# KiCad board 20Key_macropad.kicad_pcb
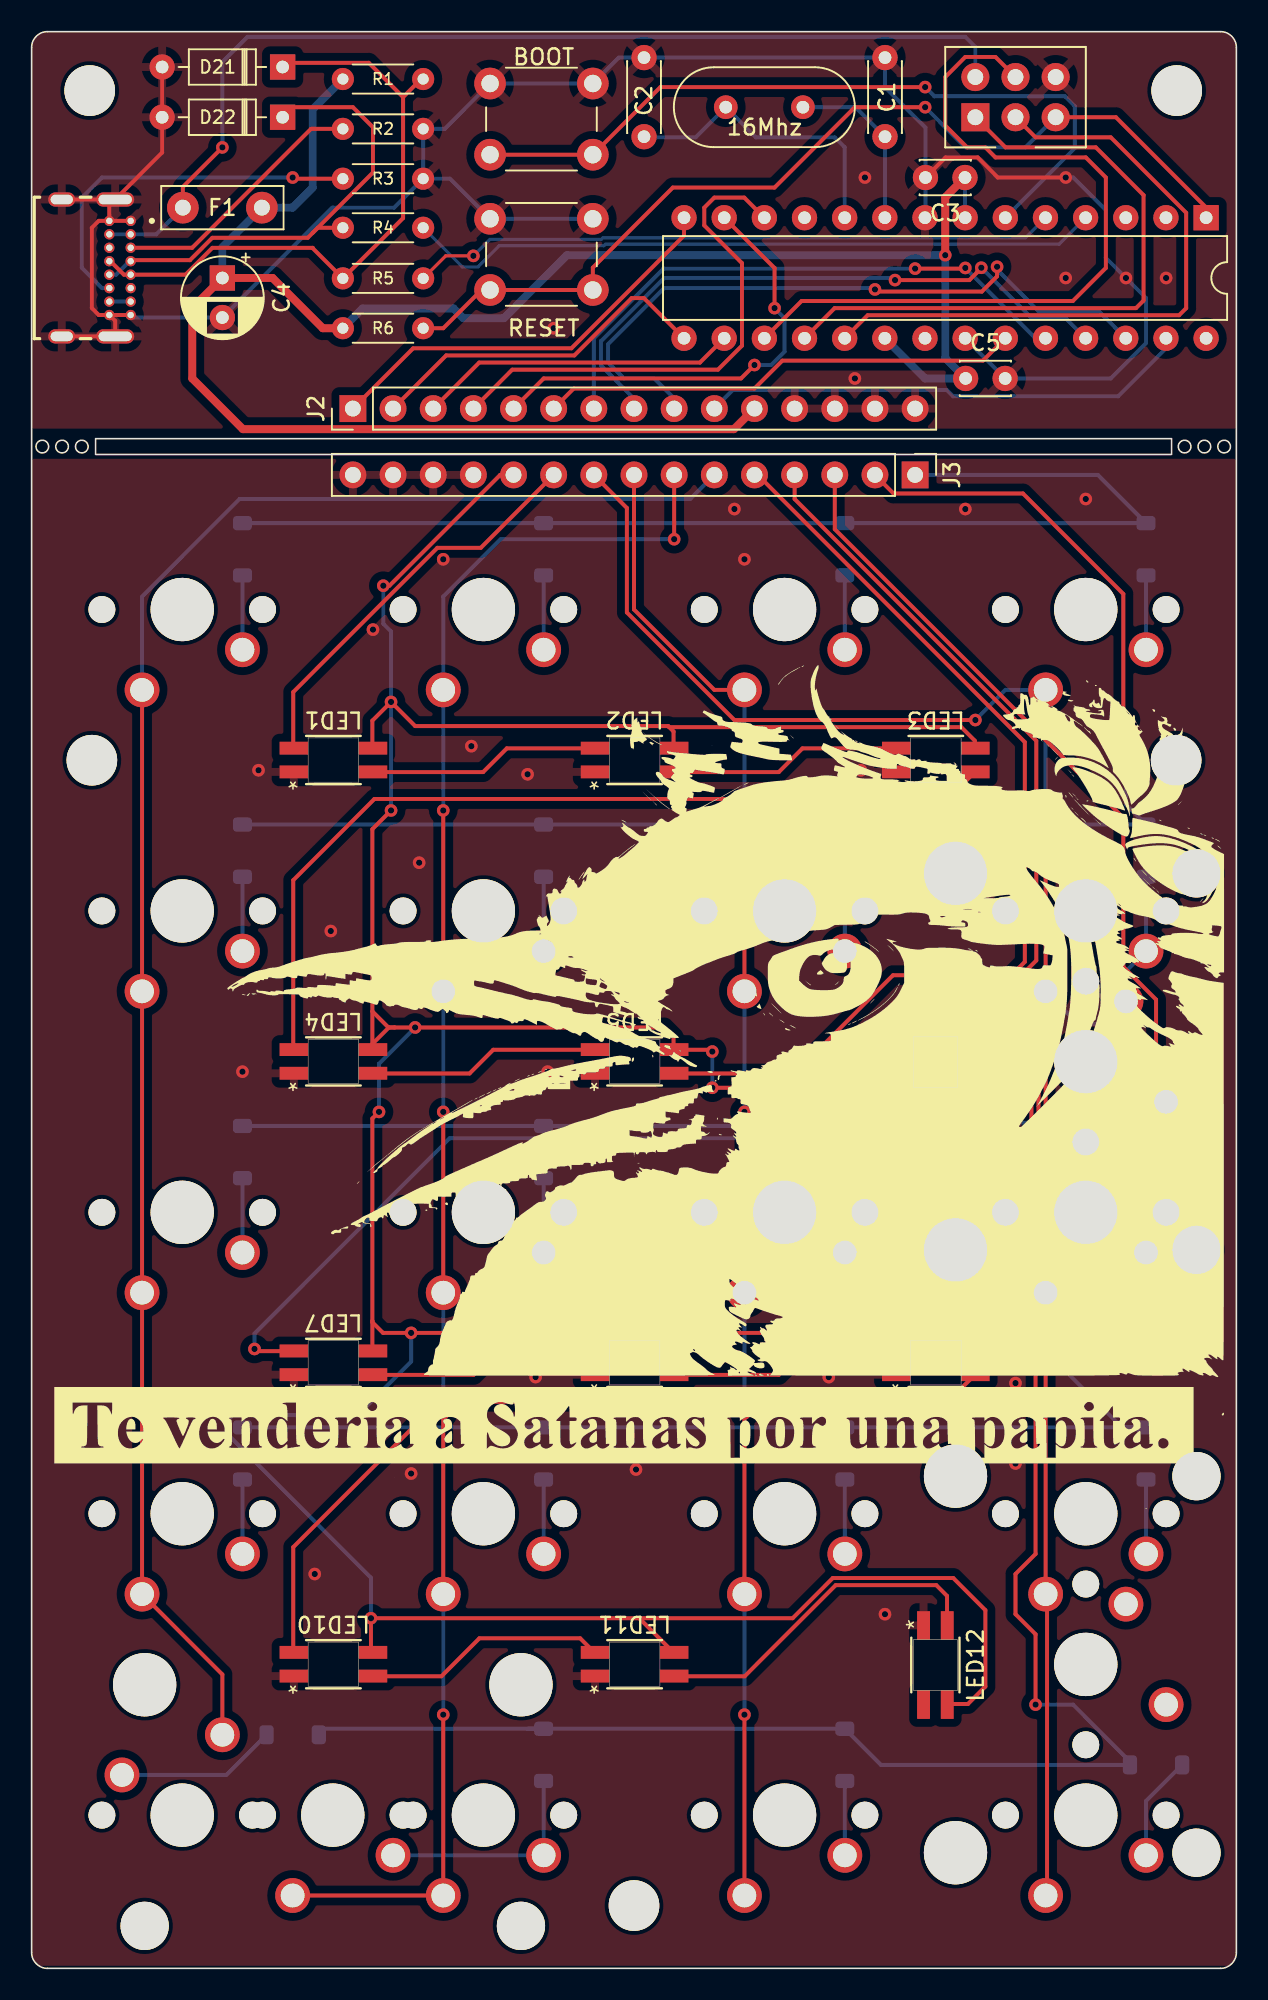
[diagram p0: board, top side]
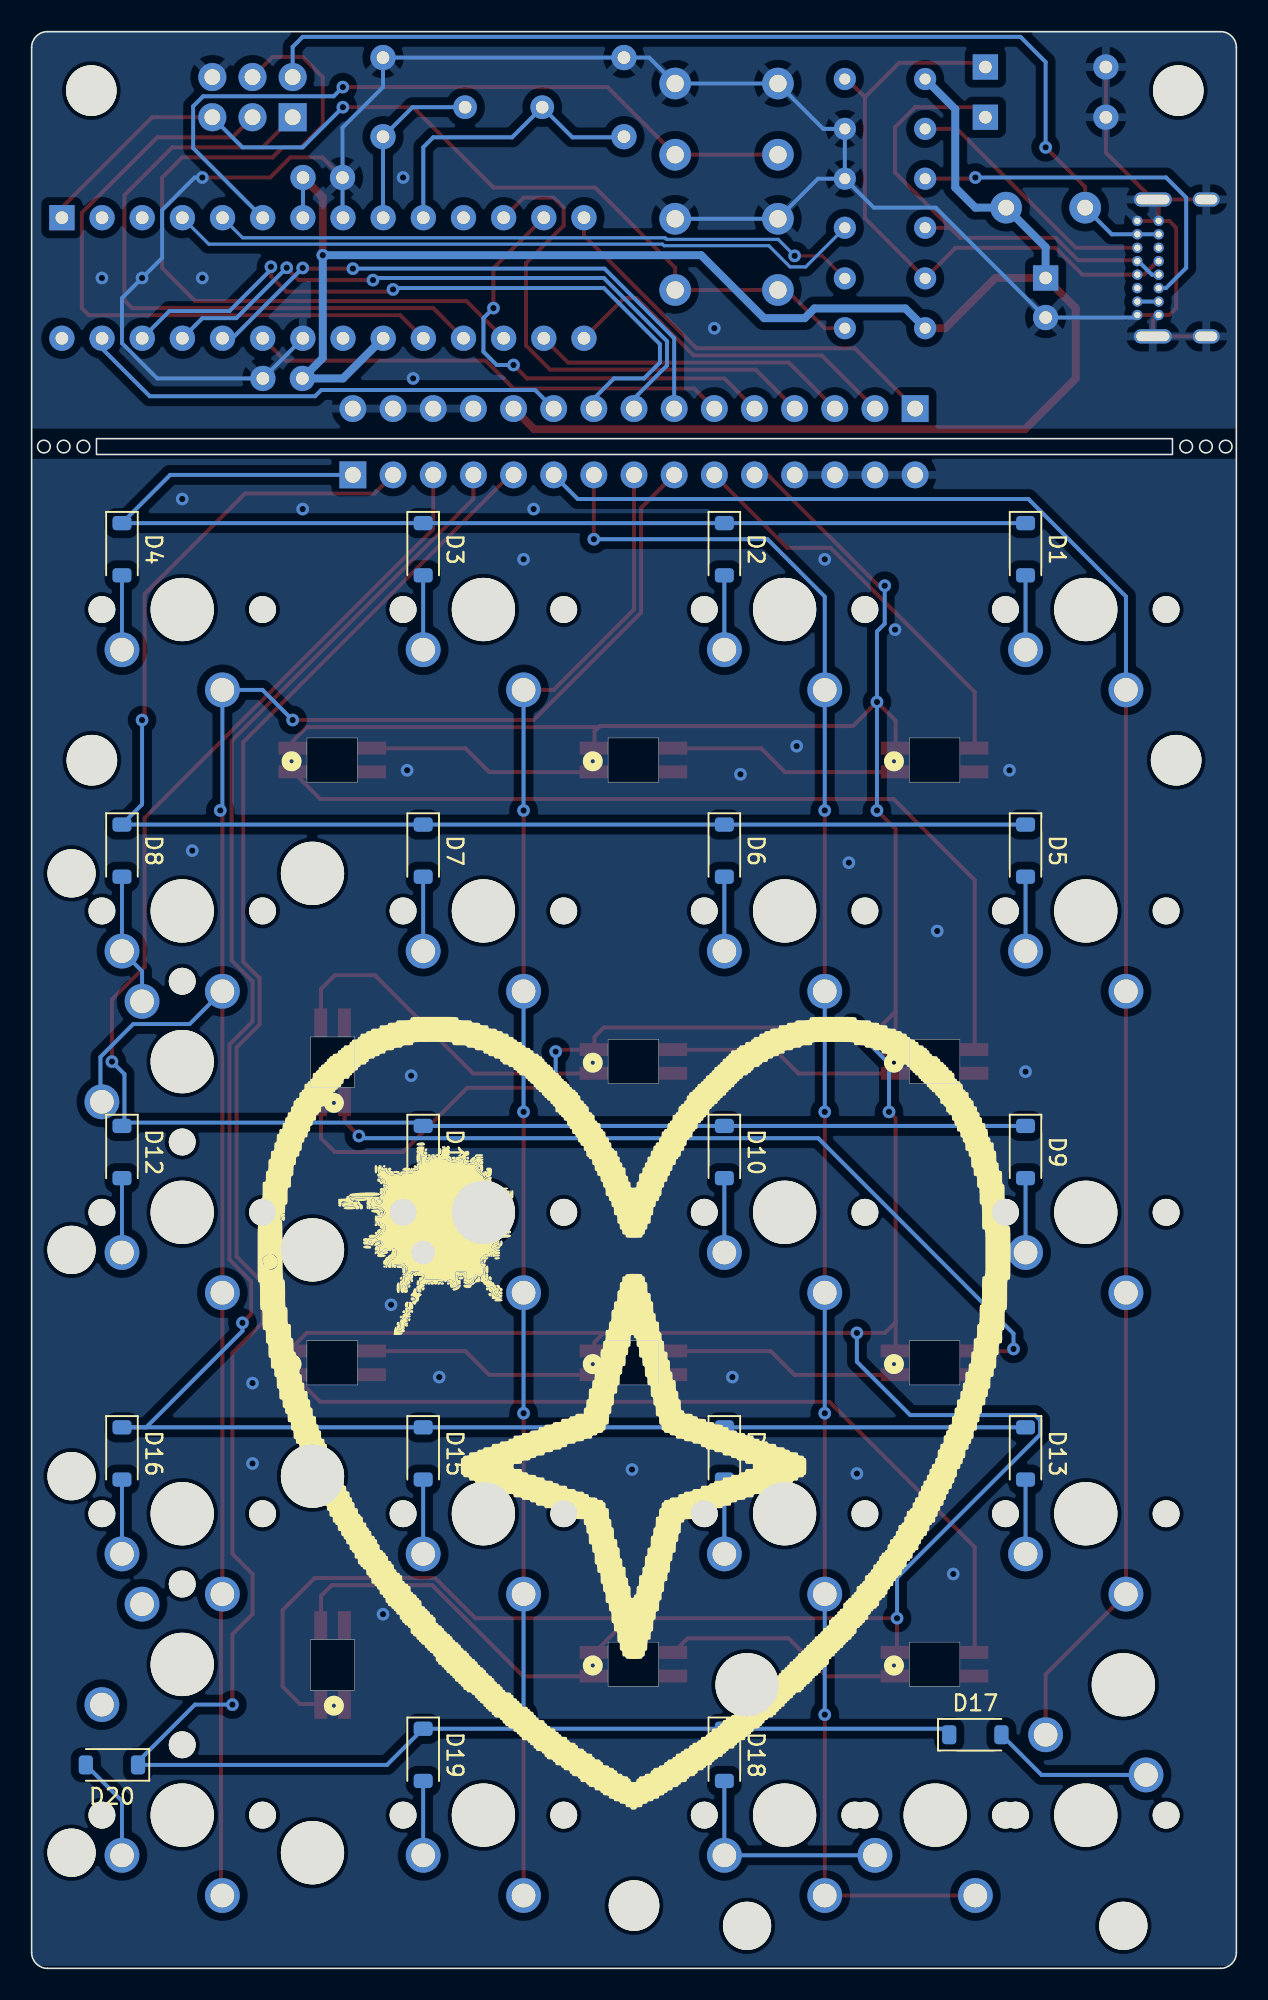
[diagram p1: board, bottom side, seen from below]

Outline 76.2 x 122.41 mm; copper layers: Top, Bottom. Coordinates in mm from the lower left corner of the outline.
Outline path: circle c0.67,96.19 r0.4 ; circle c1.92,96.19 r0.4 ; circle c3.17,96.19 r0.4 ; rectangle 4.04,96.69 72.1,95.69 ; circle c72.93,96.19 r0.4 ; circle c74.18,96.19 r0.4 ; circle c75.43,96.19 r0.4 ; 0,121.41 arc(0.29,122.12) 1,122.41 75.2,122.41 arc(75.91,122.12) 76.2,121.41 76.2,1 arc(75.91,0.29) 75.2,0 1,0 arc(0.29,0.29) 0,1 0,121.41

## Placement (name value [footprint] x y rotation side)
BOOT1  SW_Push  [SW_PUSH_6mm]  29 119.13 0 top
C1  22p  [C_Disc_D4.3mm_W1.9mm_P5.00mm]  53.97 115.77 90 top
C2  22p  [C_Disc_D4.3mm_W1.9mm_P5.00mm]  38.74 115.77 90 top
C3  0.1u  [C_Disc_D3.0mm_W2.0mm_P2.50mm]  59.03 113.19 180 top
C4  4.7u  [CP_Radial_D5.0mm_P2.50mm]  12.06 106.84 270 top
C5  0.1u  [C_Disc_D3.0mm_W2.0mm_P2.50mm]  59.07 100.49 0 top
D1  1N4148  [D_SOD-123]  13.33 89.69 270 bottom
D2  1N4148  [D_SOD-123]  32.38 89.69 270 bottom
D3  1N4148  [D_SOD-123]  51.44 89.69 270 bottom
D4  1N4148  [D_SOD-123]  70.49 89.69 270 bottom
D5  1N4148  [D_SOD-123]  13.33 70.64 270 bottom
D6  1N4148  [D_SOD-123]  32.38 70.64 270 bottom
D7  1N4148  [D_SOD-123]  51.44 70.64 270 bottom
D8  1N4148  [D_SOD-123]  70.49 70.64 270 bottom
D9  1N4148  [D_SOD-123]  13.33 51.59 270 bottom
D10  1N4148  [D_SOD-123]  32.38 51.59 270 bottom
D11  1N4148  [D_SOD-123]  51.44 51.59 270 bottom
D12  1N4148  [D_SOD-123]  70.49 51.59 270 bottom
D13  1N4148  [D_SOD-123]  13.33 32.54 270 bottom
D14  1N4148  [D_SOD-123]  32.38 32.54 270 bottom
D15  1N4148  [D_SOD-123]  51.44 32.54 270 bottom
D16  1N4148  [D_SOD-123]  70.49 32.54 270 bottom
D17  1N4148  [D_SOD-123]  16.51 14.76 180 bottom
D18  1N4148  [D_SOD-123]  32.38 13.5 270 bottom
D19  1N4148  [D_SOD-123]  51.44 13.5 270 bottom
D20  1N4148  [D_SOD-123]  71.12 12.86 0 bottom
D21  1N4148  [D_DO-35_SOD27_P7.62mm_Horizontal]  15.88 120.17 180 top
D22  1N4148  [D_DO-35_SOD27_P7.62mm_Horizontal]  15.88 117 180 top
F1  Polyfuse  [C_Disc_D7.5mm_W2.5mm_P5.00mm]  14.56 111.28 180 top
J1  USB4085-GF-A_REVB  [GCT_USB4085-GF-A_REVB]  1.91 107.47 270 top
J2  Conn_01x15_Pin  [PinHeader_1x15_P2.54mm_Vertical]  20.32 98.58 90 top
J3  Conn_01x15_Socket  [PinHeader_1x15_P2.54mm_Vertical]  55.88 94.39 270 top
LED1  4960  [4960_ADA]  19.05 76.36 180 top
LED2  4960  [4960_ADA]  38.1 76.36 180 top
LED3  4960  [4960_ADA]  57.15 76.36 180 top
LED4  4960  [4960_ADA]  19.05 57.31 180 top
LED5  4960  [4960_ADA]  38.1 57.31 180 top
LED6  4960  [4960_ADA]  57.15 57.31 90 top
LED7  4960  [4960_ADA]  19.05 38.26 180 top
LED8  4960  [4960_ADA]  38.1 38.26 180 top
LED9  4960  [4960_ADA]  57.15 38.26 180 top
LED10  4960  [4960_ADA]  19.05 19.21 180 top
LED11  4960  [4960_ADA]  38.1 19.21 180 top
LED12  4960  [4960_ADA]  57.15 19.21 90 top
R1  1.5k  [R_Axial_DIN0204_L3.6mm_D1.6mm_P5.08mm_Horizontal]  19.69 119.41 0 top
R2  5.1k  [R_Axial_DIN0204_L3.6mm_D1.6mm_P5.08mm_Horizontal]  24.77 116.26 180 top
R3  5.1k  [R_Axial_DIN0204_L3.6mm_D1.6mm_P5.08mm_Horizontal]  24.77 113.11 180 top
R4  22r  [R_Axial_DIN0204_L3.6mm_D1.6mm_P5.08mm_Horizontal]  24.77 110.01 180 top
R5  22r  [R_Axial_DIN0204_L3.6mm_D1.6mm_P5.08mm_Horizontal]  24.77 106.81 180 top
R6  10k  [R_Axial_DIN0204_L3.6mm_D1.6mm_P5.08mm_Horizontal]  24.77 103.66 180 top
REF**  -  [MountingHole_3.2mm_M3]  38.1 3.97 180 top
REF**#2  -  [MountingHole_3.2mm_M3]  72.39 76.36 180 top
REF**#3  -  [MountingHole_3.2mm_M3]  72.43 118.69 180 top
REF**#4  -  [MountingHole_3.2mm_M3]  3.67 118.69 180 top
REF**#5  -  [MountingHole_3.2mm_M3]  3.81 76.36 180 top
RESET1  SW_Push  [SW_PUSH_6mm]  29 110.58 0 top
SW1  SW_Push  [SW_Cherry_MX_1.00u_PCB]  9.53 85.88 180 top
SW2  SW_Push  [SW_Cherry_MX_1.00u_PCB]  28.57 85.88 180 top
SW3  SW_Push  [SW_Cherry_MX_1.00u_PCB]  47.62 85.88 180 top
SW4  SW_Push  [SW_Cherry_MX_1.00u_PCB]  66.68 85.88 180 top
SW5  SW_Push  [SW_Cherry_MX_1.00u_PCB]  9.53 66.83 180 top
SW6  SW_Push  [SW_Cherry_MX_1.00u_PCB]  28.57 66.83 180 top
SW7  SW_Push  [SW_Cherry_MX_1.00u_PCB]  47.62 66.83 180 top
SW8  SW_Push  [SW_Cherry_MX_1.00u_PCB]  66.68 66.83 180 top
SW8#2  SW_Push  [SW_Cherry_MX_2.00u_PCB]  71.75 54.77 270 top
SW9  SW_Push  [SW_Cherry_MX_1.00u_PCB]  9.53 47.78 180 top
SW10  SW_Push  [SW_Cherry_MX_1.00u_PCB]  28.57 47.78 180 top
SW11  SW_Push  [SW_Cherry_MX_1.00u_PCB]  47.62 47.78 180 top
SW12  SW_Push  [SW_Cherry_MX_1.00u_PCB]  66.68 47.78 180 top
SW13  SW_Push  [SW_Cherry_MX_1.00u_PCB]  9.53 28.73 180 top
SW14  SW_Push  [SW_Cherry_MX_1.00u_PCB]  28.57 28.73 180 top
SW15  SW_Push  [SW_Cherry_MX_1.00u_PCB]  47.62 28.73 180 top
SW16  SW_Push  [SW_Cherry_MX_1.00u_PCB]  66.68 28.73 180 top
SW16#2  SW_Push  [SW_Cherry_MX_2.00u_PCB]  71.75 16.67 270 top
SW17  SW_Push  [SW_Cherry_MX_1.00u_PCB]  9.53 9.69 0 top
SW18  SW_Push  [SW_Cherry_MX_1.00u_PCB]  28.57 9.69 180 top
SW18#2  SW_Push  [SW_Cherry_MX_2.00u_PCB]  16.51 4.6 180 top
SW19  SW_Push  [SW_Cherry_MX_1.00u_PCB]  47.62 9.69 180 top
SW20  SW_Push  [SW_Cherry_MX_1.00u_PCB]  66.68 9.69 180 top
U1  ATmega328-P  [DIP-28_W7.62mm]  74.28 110.65 270 top
X1  AVR-ICSP  [AVR-ICSP_ICSP-2X03-2.54]  59.69 117 90 top
Y1  16Mhz  [Crystal_HC49-4H_Vertical]  43.91 117.63 0 top

## Library data of the parts
BOOT1 RESET1 SW1-SW8 SW8#2 SW9-SW16 SW16#2 SW17 SW18 SW18#2 SW19 SW20 = -: Description: Push button switch, generic, two pins
C1-C3 C5 = -: Description: Unpolarized capacitor
C4 = -: Description: Polarized capacitor, US symbol
D1-D20 = -: Description: 100V 0.15A standard switching diode, DO-35; Sim.Device: D; Sim.Pins: 1=K 2=A
D21 D22 = -: Description: 100V 0.15A standard switching diode, DO-35; Sim.Device: D; Sim.Pins: 1=K 2=A; Field6: K; Field7: K
F1 = -: Description: Resettable fuse, polymeric positive temperature coefficient
J1 = -: MANUFACTURER: Global Connector Technology; MAXIMUM_PACKAGE_HEIGHT: 3.16mm; PARTREV: B; SNAPEDA_PN: USB4085-GF-A; STANDARD: Manufacturer Recommendations
J2 J3 = -: Description: Generic connector, single row, 01x15, script generated
R1-R6 = -: Description: Resistor
U1 = -: Description: 20MHz, 32kB Flash, 2kB SRAM, 1kB EEPROM, DIP-28
X1 = -: Description: 6 - 10 PIN CROSS CONNECTION ADAP; Availability: In Stock; Check_prices: https://www.snapeda.com/parts/AVR-ICSP/Olimex+LTD/view-part/?ref=eda; MF: Olimex LTD; Package: None; Price: None; Purchase-URL: https://www.snapeda.com/api/url_track_click_mouser/?unipart_id=590652&manufacturer=Olimex LTD&part_name=AVR-ICSP&search_term=icsp; SnapEDA_Link: https://www.snapeda.com/parts/AVR-ICSP/Olimex+LTD/view-part/?ref=snap; Field12: Name; Field13: Name
Y1 = -: Description: Two pin crystal

## Footprints (pads in the part's own frame, mm; a bottom-side part is the same pattern mirrored in y, then rotated)
4960_ADA
  rect 1.803x0.813 smd: 1(-2.54,-0.762) 2(-2.54,0.737) 3(2.464,0.737) 4(2.464,-0.762)
AVR-ICSP_ICSP-2X03-2.54
  rect 1.778x1.778 hole 1: 1(0,0)
  round 1.778 hole 1: 2(2.54,0) 3(0,-2.54) 4(2.54,-2.54) 5(0,-5.08) 6(2.54,-5.08)
C_Disc_D3.0mm_W2.0mm_P2.50mm
  round 1.6 hole 0.8: 1(0,0) 2(2.5,0)
C_Disc_D4.3mm_W1.9mm_P5.00mm
  round 1.6 hole 0.8: 1(0,0) 2(5,0)
C_Disc_D7.5mm_W2.5mm_P5.00mm
  round 2 hole 1: 1(0,0) 2(5,0)
CP_Radial_D5.0mm_P2.50mm
  rect 1.6x1.6 hole 0.8: 1(0,0)
  round 1.6 hole 0.8: 2(2.5,0)
Crystal_HC49-4H_Vertical
  round 1.5 hole 0.8: 1(0,0) 2(4.88,0)
D_DO-35_SOD27_P7.62mm_Horizontal
  rect 1.6x1.6 hole 0.8: 1(0,0)
  oval 1.6x1.6 hole 0.8: 2(7.62,0)
D_SOD-123
  rrect 0.9x1.2 smd: 1(-1.65,0) 2(1.65,0)
DIP-28_W7.62mm
  rect 1.6x1.6 hole 0.8: 1(0,0)
  oval 1.6x1.6 hole 0.8: 2(0,-2.54) 3(0,-5.08) 4(0,-7.62) 5(0,-10.16) 6(0,-12.7) 7(0,-15.24) 8(0,-17.78) 9(0,-20.32) 10(0,-22.86) 11(0,-25.4) 12(0,-27.94) 13(0,-30.48) 14(0,-33.02) 15(7.62,-33.02) 16(7.62,-30.48) 17(7.62,-27.94) 18(7.62,-25.4) 19(7.62,-22.86) 20(7.62,-20.32) 21(7.62,-17.78) 22(7.62,-15.24) 23(7.62,-12.7) 24(7.62,-10.16) 25(7.62,-7.62) 26(7.62,-5.08) 27(7.62,-2.54) 28(7.62,0)
GCT_USB4085-GF-A_REVB
  round 0.65 hole 0.4: A1(-2.975,4.36) A4(-2.125,4.36) A5(-1.275,4.36) A6(-0.425,4.36) A7(0.425,4.36) A8(1.275,4.36) A9(2.125,4.36) A12(2.975,4.36) B1(2.975,3.01) B4(2.125,3.01) B5(1.275,3.01) B6(0.425,3.01) B7(-0.425,3.01) B8(-1.275,3.01) B9(-2.125,3.01) B12(-2.975,3.01)
  oval 0.9x1.7 hole 0.6x1.4: S1(-4.325,0) S2(4.325,0)
  oval 0.9x2.4 hole 0.6x2.1: S3(-4.325,3.38) S4(4.325,3.38)
MountingHole_3.2mm_M3
  round 3.2 hole 3.2 unplated: (0,0)
PinHeader_1x15_P2.54mm_Vertical
  rect 1.7x1.7 hole 1: 1(0,0)
  oval 1.7x1.7 hole 1: 2(0,-2.54) 3(0,-5.08) 4(0,-7.62) 5(0,-10.16) 6(0,-12.7) 7(0,-15.24) 8(0,-17.78) 9(0,-20.32) 10(0,-22.86) 11(0,-25.4) 12(0,-27.94) 13(0,-30.48) 14(0,-33.02) 15(0,-35.56)
R_Axial_DIN0204_L3.6mm_D1.6mm_P5.08mm_Horizontal
  round 1.4 hole 0.7: 1(0,0)
  oval 1.4x1.4 hole 0.7: 2(5.08,0)
SW_Cherry_MX_1.00u_PCB
  round 1.7 hole 1.7 unplated: (-5.08,0) (5.08,0)
  round 4 hole 4 unplated: (0,0)
  round 2.2 hole 1.5: 1(2.54,5.08) 2(-3.81,2.54)
SW_Cherry_MX_2.00u_PCB
  round 3.05 hole 3.05 unplated: (-14.44,1.92) (9.36,1.92)
  round 4 hole 4 unplated: (-14.44,-13.32) (-2.54,-5.08) (9.36,-13.32)
  round 1.7 hole 1.7 unplated: (-7.62,-5.08) (2.54,-5.08)
  round 2.2 hole 1.5: 1(0,0) 2(-6.35,-2.54)
SW_PUSH_6mm
  round 2 hole 1.1: 1(0,0) 1(6.5,0) 2(0,-4.5) 2(6.5,-4.5)

## Nets
+5V: C3.1 C4.1 C5.1 F1.1 J2.11 J3.11 LED1.1 LED2.1 LED3.1 LED4.1 LED5.1 LED6.1 LED7.1 LED8.1 LED9.1 LED10.1 LED11.1 LED12.1 R1.1 R6.2 U1.7 U1.20
GND: BOOT1.1 C1.2 C2.2 C3.2 C4.2 C5.2 D21.2 D22.2 J1.A1 J1.A12 J1.B1 J1.B12 J1.S1 J1.S2 J1.S3 J1.S4 J2.12 J2.13 J2.14 J2.15 J3.12 J3.13 J3.14 J3.15 LED1.3 LED2.3 LED3.3 LED4.3 LED5.3 LED6.3 LED7.3 LED8.3 LED9.3 LED10.3 LED11.3 LED12.3 R2.1 R3.1 RESET1.1 U1.8 U1.22 X1.6
VCC: F1.2 J1.A4 J1.A9 J1.B4 J1.B9 X1.2
boot: BOOT1.2 U1.6
col0: J2.6 J3.6 SW1.1 SW5.1 SW9.1 SW13.1 SW17.1 U1.23
col1: J2.7 J3.7 SW2.1 SW6.1 SW10.1 SW14.1 SW18.1 SW18#2.1 U1.24
col2: J2.8 J3.8 SW3.1 SW7.1 SW11.1 SW15.1 SW19.1 U1.25
col3: J2.9 J3.9 SW4.1 SW8.1 SW8#2.1 SW12.1 SW16.1 SW16#2.1 SW20.1 U1.26
D+: R4.1 U1.4
D-: R5.1 U1.5
LED: J2.10 J3.10 LED1.4 U1.27
MISO: U1.18 X1.1
MOSI: U1.17 X1.4
RESET: R6.1 RESET1.2 U1.1 X1.5
row0: D1.1 D2.1 D3.1 D4.1 J2.1 J3.1 U1.14
row1: D5.1 D6.1 D7.1 D8.1 J2.2 J3.2 U1.15
row2: D9.1 D10.1 D11.1 D12.1 J2.3 J3.3 U1.16
row3: D13.1 D14.1 D15.1 D16.1 J2.4 J3.4 U1.12
row4: D17.1 D18.1 D19.1 D20.1 J2.5 J3.5 U1.13
SCK: U1.19 X1.3
Net-(D1-A): D1.2 SW1.2
Net-(D2-A): D2.2 SW2.2
Net-(D3-A): D3.2 SW3.2
Net-(D4-A): D4.2 SW4.2
Net-(D5-A): D5.2 SW5.2
Net-(D6-A): D6.2 SW6.2
Net-(D7-A): D7.2 SW7.2
Net-(D8-A): D8.2 SW8.2 SW8#2.2
Net-(D9-A): D9.2 SW9.2
Net-(D10-A): D10.2 SW10.2
Net-(D11-A): D11.2 SW11.2
Net-(D12-A): D12.2 SW12.2
Net-(D13-A): D13.2 SW13.2
Net-(D14-A): D14.2 SW14.2
Net-(D15-A): D15.2 SW15.2
Net-(D16-A): D16.2 SW16.2 SW16#2.2
Net-(D17-A): D17.2 SW17.2
Net-(D18-A): D18.2 SW18.2 SW18#2.2
Net-(D19-A): D19.2 SW19.2
Net-(D20-A): D20.2 SW20.2
Net-(D21-K): D21.1 J1.A7 J1.B7 R1.2 R5.2
Net-(D22-K): D22.1 J1.A6 J1.B6 R4.2
Net-(J1-CC1): J1.A5 R2.2
Net-(J1-CC2): J1.B5 R3.2
Net-(LED1-DOUT): LED1.2 LED2.4
Net-(LED2-DOUT): LED2.2 LED3.4
Net-(LED3-DOUT): LED3.2 LED4.4
Net-(LED4-DOUT): LED4.2 LED5.4
Net-(LED5-DOUT): LED5.2 LED6.4
Net-(LED6-DOUT): LED6.2 LED7.4
Net-(LED7-DOUT): LED7.2 LED8.4
Net-(LED8-DOUT): LED8.2 LED9.4
Net-(LED10-DIN): LED9.2 LED10.4
Net-(LED10-DOUT): LED10.2 LED11.4
Net-(LED11-DOUT): LED11.2 LED12.4
Net-(U1-XTAL1/PB6): C1.1 U1.9 Y1.2
Net-(U1-XTAL2/PB7): C2.1 U1.10 Y1.1

Pads without a net: J1 A8 B8; LED12 2; U1 2 3 11 21 28

## Via types
v1: diameter 0.8, hole 0.4, Top to Bottom, 72 vias

## Routing (per net, layer and track width the routed paths; a pad name or vN(x,y) marks a point on that pad's centre or on a via; arc(x,y) is an arc through that point)
+5V: length 411.6
  Top w0.25: 40,40.16 40.6,39.57 40.6,39.01 ; 40,40.16 v1(24,40.16) 22.22,40.16 21.55,40.84 21.55,40.93 ; 40,40.16 58.8,40.16 59.65,39.31 59.65,39.01 ; 21.55,40.93 21.55,39.01 ; 21.55,40.93 21.55,53.72 v1(21.97,54.13) ; 21.46,20.05 v1(21.46,22.13) 38.43,22.13 ; 59.65,77.11 59.65,77.6 58.8,78.45 40.33,78.45 40.26,78.52 ; 21.55,60.48 22.57,59.47 22.96,59.47 ; 21.55,60.48 21.55,72 v1(22.73,73.18) ; 21.55,60.48 21.55,58.06 21.55,58.43 22.59,59.47 22.96,59.47 ; 38.43,22.13 48.13,22.13 50.67,24.67 58.29,24.67 60.32,22.64 60.32,17.81 59.22,16.71 57.9,16.71 ; 38.43,22.13 40.6,19.96 ; 22.96,59.47 v1(24.26,59.47) 40,59.47 40.6,58.87 40.6,58.06 42.94,58.06 v1(43.05,57.94) ; 40.26,78.52 40.6,78.18 40.6,77.11 ; 40.26,78.52 24.26,78.52 v1(22.73,80.04) 21.55,78.86 21.55,77.11 ; v1(43.05,55.66) 48.64,55.66 52.71,51.59 57.02,51.59 57.9,52.47 57.9,54.81 ; J3.11 29.64,94.39 22.63,87.39 v1(22.24,87.39)
  Top w0.5: v1(57.78,108.28) 57.78,111.94 C3.1 ; R6.2 18.42,103.66 15.24,106.84 C4.1 10.16,104.94 10.16,100.49 13.36,97.28 44.42,97.28 J2.11
  Bottom w0.25: v1(43.05,57.94) v1(43.05,55.66) ; v1(21.97,54.13) 21.97,57.18 v1(24.26,59.47) ; C3.1 59.03,110.66 ; v1(22.24,87.39) 22.24,84.99 22.73,84.5 v1(22.73,80.04) v1(22.73,73.18) ; v1(24,40.16) 24,38.34 20.63,34.97 12.73,34.97 12.41,34.65 12.41,33.74 21.46,24.69 v1(21.46,22.13)
  Bottom w0.5: R1.1 17.78,117.51 17.78,112.55 16.51,111.28 F1.1 12.06,108.78 C4.1 ; U1.20 56.5,100.49 C5.1 57.78,101.78 v1(57.78,108.28) 33.85,108.28 29.87,104.3 27.31,104.3 26.69,104.91 20.94,104.91 R6.2
GND: length 145.3
  Top w0.25: J1.B1 5.28,104.13 J1.S4 J1.S2 ; J1.B1 J1.A12 ; J1.B1 4.25,104.5 3.81,104.94 3.81,110.01 4.25,110.45 J1.B12 ; 5.28,111.8 8.25,114.77 D22.2 D21.2 ; 5.28,111.8 1.91,111.8 ; 5.28,111.8 4.92,111.43 J1.B12 ; J1.B12 J1.A1 ; v1(65.41,113.19) 61.11,113.19 59.84,114.46 57.81,114.46 C3.2
  Bottom w0.25: R3.1 R2.1 26.13,116.26 BOOT1.1 BOOT1.1 37.13,120.77 C2.2 C1.2 53.97,118.91 56.53,116.34 C3.2 56.53,110.68 ; R3.1 26.46,113.11 RESET1.1 RESET1.1 ; R3.1 22.94,111.28 19.01,111.28 C4.2 6.42,104.34 J1.A12 ; v1(65.41,113.19) 65.88,113.19 67.94,111.13 67.94,108.11 v1(69.22,106.84) 70.49,105.57 70.49,102.72 68.26,100.49 C5.2 59.04,103.02
  vias: v1(13.33,56.67) v1(14.35,75.72) v1(17.91,24.92) v1(18.92,65.56) v1(21.59,84.61) v1(24,31.27) v1(24.51,69.88) v1(26.03,89.06) v1(27.81,77.25) v1(31.37,75.47) v1(31.88,37.37) v1(32.64,56.67) v1(33.02,103.66) v1(38.23,31.53) v1(44.45,92.23) v1(45.09,89.06) v1(50.42,37.37) v1(52.07,100.49) v1(52.2,56.42) v1(52.45,75.72) v1(52.71,113.19) v1(53.47,41.94) v1(53.97,22.38) v1(59.06,92.23) v1(62.23,36.99) v1(62.23,31.91) v1(65.41,106.84) v1(66.04,70.64) v1(66.68,92.87) v1(71.75,106.84)
VCC: length 67.4
  Top w0.25: v1(12.06,115.09) 9.56,112.59 F1.2
  Bottom w0.25: X1.2 59.69,121.44 59.06,122.08 13.65,122.08 12.06,120.49 v1(12.06,115.09) ; J1.B9 J1.A4 7.88,109.6 F1.2 ; J1.B4 J1.A9
boot: length 48.1
  Top w0.25: v1(56.51,118.91) 39.77,118.91 BOOT1.2 BOOT1.2
  Bottom w0.25: v1(56.51,118.91) 57.09,118.33 65.35,118.33 65.98,117.69 65.98,115.05 U1.6
col0: length 143.8
  Top w0.25: SW1.1 SW5.1 SW9.1 SW13.1 12.06,18.57 SW17.1 ; 33.02,98.58 34.29,99.85 45.72,99.85 47.48,101.61 60.17,101.61 U1.23
  Bottom w0.25: J3.6 41.66,92.87 13.15,92.87 6.98,86.7 SW1.1
col1: length 147.9
  Top w0.25: v1(26.03,54.13) SW10.1 ; v1(59.06,107.47) 59.01,107.43 v1(55.88,107.43) ; SW18#2.1 SW18.1 v1(26.03,16.03) ; v1(26.03,73.18) SW6.1 ; J3.7 v1(40.64,90.33) ; v1(26.03,35.08) SW14.1
  Bottom w0.25: v1(26.03,73.18) SW2.1 26.03,86.7 29.66,90.33 v1(40.64,90.33) ; J2.7 35.56,103.03 39.96,107.43 v1(55.88,107.43) ; SW14.1 v1(26.03,16.03) ; SW10.1 v1(26.03,35.08) ; SW6.1 v1(26.03,54.13) ; v1(59.06,107.47) 63.5,103.03
col2: length 132.8
  Top w0.25: v1(45.09,73.18) SW7.1 ; v1(60.07,107.49) 59.78,107.2 59.78,107.17 59.31,106.71 v1(54.61,106.71) ; v1(45.09,16.03) SW19.1 ; v1(45.09,35.08) SW15.1 ; v1(45.09,54.13) SW11.1 ; J3.8 38.1,85.89 43.18,80.8 SW3.1
  Bottom w0.25: U1.25 65.4,104.3 63.25,104.3 v1(60.07,107.49) ; SW15.1 v1(45.09,16.03) ; SW7.1 v1(45.09,54.13) ; SW11.1 v1(45.09,35.08) ; v1(54.61,106.71) 54.48,106.84 40,106.84 36.01,102.85 36.01,101.31 38.1,99.22 ; SW3.1 v1(45.09,73.18)
col3: length 171.5
  Top w0.25: v1(53.34,106.12) 53.47,105.98 60.1,105.98 61.06,106.94 v1(61.06,107.55) ; J3.9 37.65,92.3 37.65,85.7 44.45,78.9 v1(59.69,78.9) ; 64.22,23.56 64.22,4.69 ; v1(64.27,73.18) 64.13,73.05 SW8.1 SW12.1 SW16.1
  Bottom w0.25: v1(53.34,106.12) 53.25,106.2 40,106.2 36.46,102.66 36.46,101.49 37.47,100.49 39.37,100.49 40.64,99.22 ; v1(64.27,73.18) 64.13,73.32 SW4.1 61.59,80.8 v1(59.69,78.9) ; SW8.1 66.21,59.68 69.77,59.68 71.84,57.61 71.84,54.86 ; U1.26 67.49,104.75 63.69,104.75 61.06,107.37 v1(61.06,107.55)
D+: length 44.2
  Bottom w0.2: R4.1 27.24,107.54 28.23,107.54 29.57,108.88 36.2,108.88 36.3,108.98 65,108.98 U1.4
D-: length 40.9
  Top w0.2: v1(27.94,108.24) 26.19,108.24 R5.1
  Bottom w0.2: v1(27.94,108.24) 28.98,109.28 36.03,109.28 36.13,109.38 62.85,109.38 U1.5
LED: length 56.2
  Top w0.25: 33.02,94.39 28.41,89.78 25.66,89.78 16.55,80.67 16.55,77.11
  Bottom w0.25: 71.75,102.39 68.72,99.36 58.28,99.36 57.88,99.76 44.35,99.76 J2.10
MISO: length 41.8
  Top w0.25: U1.18 50.79,104.94 69.85,104.94 70.33,105.41 70.33,112.07 67.31,115.09 61.59,115.09 X1.1
MOSI: length 49.2
  Top w0.25: X1.4 60.96,120.81 59.06,120.81 57.78,119.54 57.78,116.48 59.17,115.09 60.32,115.09 60.96,114.46 66.68,114.46 67.94,113.19 67.94,107.47 65.85,105.38 48.7,105.38 U1.17
RESET: length 59.8
  Top w0.25: 28.45,106.08 26.03,103.66 R6.1 ; v1(56.51,117.63) 52.07,117.63 46.99,112.55 40.56,112.55 35.5,107.5 RESET1.2 RESET1.2 ; 74.28,111.29 68.58,117 X1.5
  Bottom w0.25: X1.5 62.87,115.09 59.06,115.09 v1(56.51,117.63)
row0: length 99.6
  Top w0.25: J2.1 24.13,102.39 34.14,102.39 41.26,109.52 U1.14
  Bottom w0.25: J3.1 67.44,94.39 D4.1 D3.1 D2.1 D1.1
row1: length 113.5
  Top w0.25: U1.15 38.72,105.57 37.95,105.57 34.33,101.94 26.22,101.94 J2.2 ; v1(69.22,78.9) 69.05,79.06 69.05,86.87 62.7,93.22 54.51,93.22 J3.2
  Bottom w0.25: v1(69.22,78.9) 69.22,73.56 D8.1 D7.1 D6.1 D5.1
row2: length 126.7
  Top w0.25: 50.8,94.39 50.8,90.96 69.05,72.71 69.05,63.3 71.12,61.23 v1(71.12,57.31) ; 25.4,98.58 28.31,101.49 42.27,101.49 U1.16
  Bottom w0.25: D11.1 D10.1 D9.1 ; 70.33,53.4 70.33,56.52 v1(71.12,57.31) ; 70.28,53.45 51.65,53.45
row3: length 162.6
  Top w0.25: v1(62.87,40.8) 62.32,41.35 62.32,43.43 63.69,44.79 63.69,58.39 62.23,59.85 62.23,62.39 63.54,63.7 63.54,77.59 48.26,92.87 J3.4 ; J2.4 30.4,101.04 43.41,101.04 44.93,102.56 44.93,107.78 42.54,110.16 42.54,111.28 43.18,111.92 45.07,111.92 U1.12
  Bottom w0.25: v1(62.87,40.8) 62.87,40.28 68.95,34.19 D16.1 D15.1 D14.1 D13.1
row4: length 178.9
  Top w0.25: v1(46.99,104.94) 46.99,107.46 U1.13 ; v1(45.72,101.34) 44.87,100.49 32.38,100.49 J2.5 ; 45.93,94.39 62.82,77.5 62.82,63.61 61.78,62.57 61.78,59.66 63.24,58.21 63.24,44.98 61.59,43.34 61.59,40.8 63.5,38.89 63.5,26.19 62.23,24.92 62.23,22.38 63.5,21.11 v1(63.5,16.67)
  Bottom w0.25: v1(46.99,104.94) 47.62,104.3 47.62,102.18 46.78,101.34 v1(45.72,101.34) ; D20.1 53.72,12.86 D19.1 31.37,15.14 D18.1 18.54,15.14 D17.1 ; v1(63.5,16.67) 65.87,16.67 69.47,13.07
SCK: length 41.7
  Top w0.25: X1.3 63.5,115.73 68.26,115.73 73.03,110.96 73.03,104.93 72.58,104.48 52.88,104.48 U1.19
Net-(D1-A): length 4.7
  Bottom w0.25: D1.2 SW1.2
Net-(D2-A): length 4.7
  Bottom w0.25: D2.2 SW2.2
Net-(D3-A): length 4.7
  Bottom w0.25: D3.2 SW3.2
Net-(D4-A): length 4.7
  Bottom w0.25: D4.2 SW4.2
Net-(D5-A): length 4.7
  Bottom w0.25: D5.2 SW5.2
Net-(D6-A): length 4.7
  Bottom w0.25: D6.2 SW6.2
Net-(D7-A): length 4.7
  Bottom w0.25: D7.2 SW7.2
Net-(D8-A): length 8.4
  Bottom w0.25: SW8#2.2 69.22,63.02 SW8.2 D8.2
Net-(D9-A): length 4.7
  Bottom w0.25: D9.2 SW9.2
Net-(D10-A): length 4.7
  Bottom w0.25: D10.2 SW10.2
Net-(D11-A): length 4.7
  Bottom w0.25: D11.2 SW11.2
Net-(D12-A): length 4.7
  Bottom w0.25: D12.2 SW12.2
Net-(D13-A): length 4.7
  Bottom w0.25: D13.2 SW13.2
Net-(D14-A): length 4.7
  Bottom w0.25: D14.2 SW14.2
Net-(D15-A): length 4.7
  Bottom w0.25: D15.2 SW15.2
Net-(D16-A): length 4.7
  Bottom w0.25: D16.2 SW16.2
Net-(D17-A): length 10.2
  Bottom w0.25: SW17.2 12.32,12.22 D17.2
Net-(D18-A): length 14.2
  Bottom w0.25: SW18#2.2 SW18.2 D18.2
Net-(D19-A): length 4.7
  Bottom w0.25: D19.2 SW19.2
Net-(D20-A): length 6.7
  Bottom w0.25: SW20.2 70.49,10.57 D20.2
Net-(D21-K): length 39.5
  Top w0.25: 23.5,118.27 24.64,119.41 ; 23.5,118.27 21.33,120.44 16.14,120.44 ; 23.5,118.27 23.5,110.62 R5.2 17.78,108.72 17.78,108.74 11.43,108.74 9.74,107.05 J1.A7 5.83,107.05 4.98,107.9
Net-(D22-K): length 29.7
  Top w0.25: 16.51,117.63 20.32,117.63 21.59,116.36 21.59,113.51 17.78,109.7 ; 17.78,109.7 17.46,109.38 11.43,109.38 10.02,107.96 6.33,107.96 ; 17.78,109.7 18.1,110.01 R4.2
  Bottom w0.25: J1.B6 5.35,107.05 6.2,107.9
Net-(J1-CC1): length 16.5
  Top w0.25: J1.A5 10.16,108.75 17.67,116.26 R2.2
Net-(J1-CC2): length 23.8
  Top w0.25: R3.2 16.58,113.11 v1(16.51,113.19)
  Bottom w0.25: 4.92,106.2 4.46,106.2 3.17,107.48 3.17,111.92 4.44,113.19 v1(16.51,113.19)
Net-(LED1-DOUT): length 14.7
  Top w0.25: 35.6,77.11 30.05,77.11 28.56,75.61 21.55,75.61
Net-(LED2-DOUT): length 14.7
  Top w0.25: 54.65,77.11 48.76,77.11 47.26,75.61 40.6,75.61
Net-(LED3-DOUT): length 56.7
  Top w0.25: 59.65,75.61 57.95,73.91 21.68,73.91 16.55,68.78 16.55,58.06
Net-(LED4-DOUT): length 14.7
  Top w0.25: 21.55,56.56 27.7,56.56 29.2,58.06 35.6,58.06
Net-(LED5-DOUT): length 22.3
  Top w0.25: 40.6,56.56 48.27,56.56 54.48,62.77 57.02,62.77 57.9,61.89 57.9,59.81
Net-(LED6-DOUT): length 52.6
  Top w0.25: 16.55,39.01 14.24,39.01 v1(14.1,39.15) ; v1(55.5,52.61) 56.4,53.51 56.4,54.81
  Bottom w0.25: v1(14.1,39.15) 14.1,40.12 26.45,52.47 55.36,52.47 v1(55.5,52.61)
Net-(LED7-DOUT): length 14.7
  Top w0.25: 35.6,39.01 29.45,39.01 27.95,37.51 21.55,37.51
Net-(LED8-DOUT): length 14.7
  Top w0.25: 40.6,37.51 47.26,37.51 48.76,39.01 54.65,39.01
Net-(LED10-DIN): length 54.3
  Top w0.25: 59.65,37.51 57.95,35.81 25.73,35.81 16.55,26.62 16.55,19.96
Net-(LED10-DOUT): length 15.4
  Top w0.25: 35.6,19.96 34.7,20.86 28.32,20.86 25.92,18.46 21.55,18.46
Net-(LED11-DOUT): length 21.8
  Top w0.25: 57.9,21.71 57.9,23.54 57.22,24.22 50.86,24.22 45.1,18.46 40.6,18.46
Net-(U1-XTAL1/PB6): length 11.1
  Bottom w0.25: 53.97,110.66 C1.1 52.11,117.63 Y1.2
Net-(U1-XTAL2/PB7): length 18.9
  Bottom w0.25: U1.10 51.43,115.1 50.8,115.73 45.81,115.73 Y1.1 42,115.73 38.78,115.73

## Copper pours and planes (outline as drawn; the poured copper is in the pictures)
GND on Top, Bottom: 76.2,122.71 0,122.71 0,97.31 76.2,97.31
GND on Top, Bottom: 76.2,95.41 0,95.41 0,0.16 76.2,0.16

## Text on the board
User.Drawings: Bottom : 76.2 mm x 95.25 mm
